# Altium PCB Lancelot.PcbDoc (part 11 of 14)
Units mil, origin at the board's own origin, x right, y up, seen from the top; angles counter-clockwise.
Board outline 4837.61 x 3252.61 mil, 6 copper layers (Top Layer, Mid-Layer 1, Mid-Layer 2, Mid-Layer 3, Mid-Layer 4, Bottom Layer); 372 components, 275 nets, 2062 pads, 1350 vias.
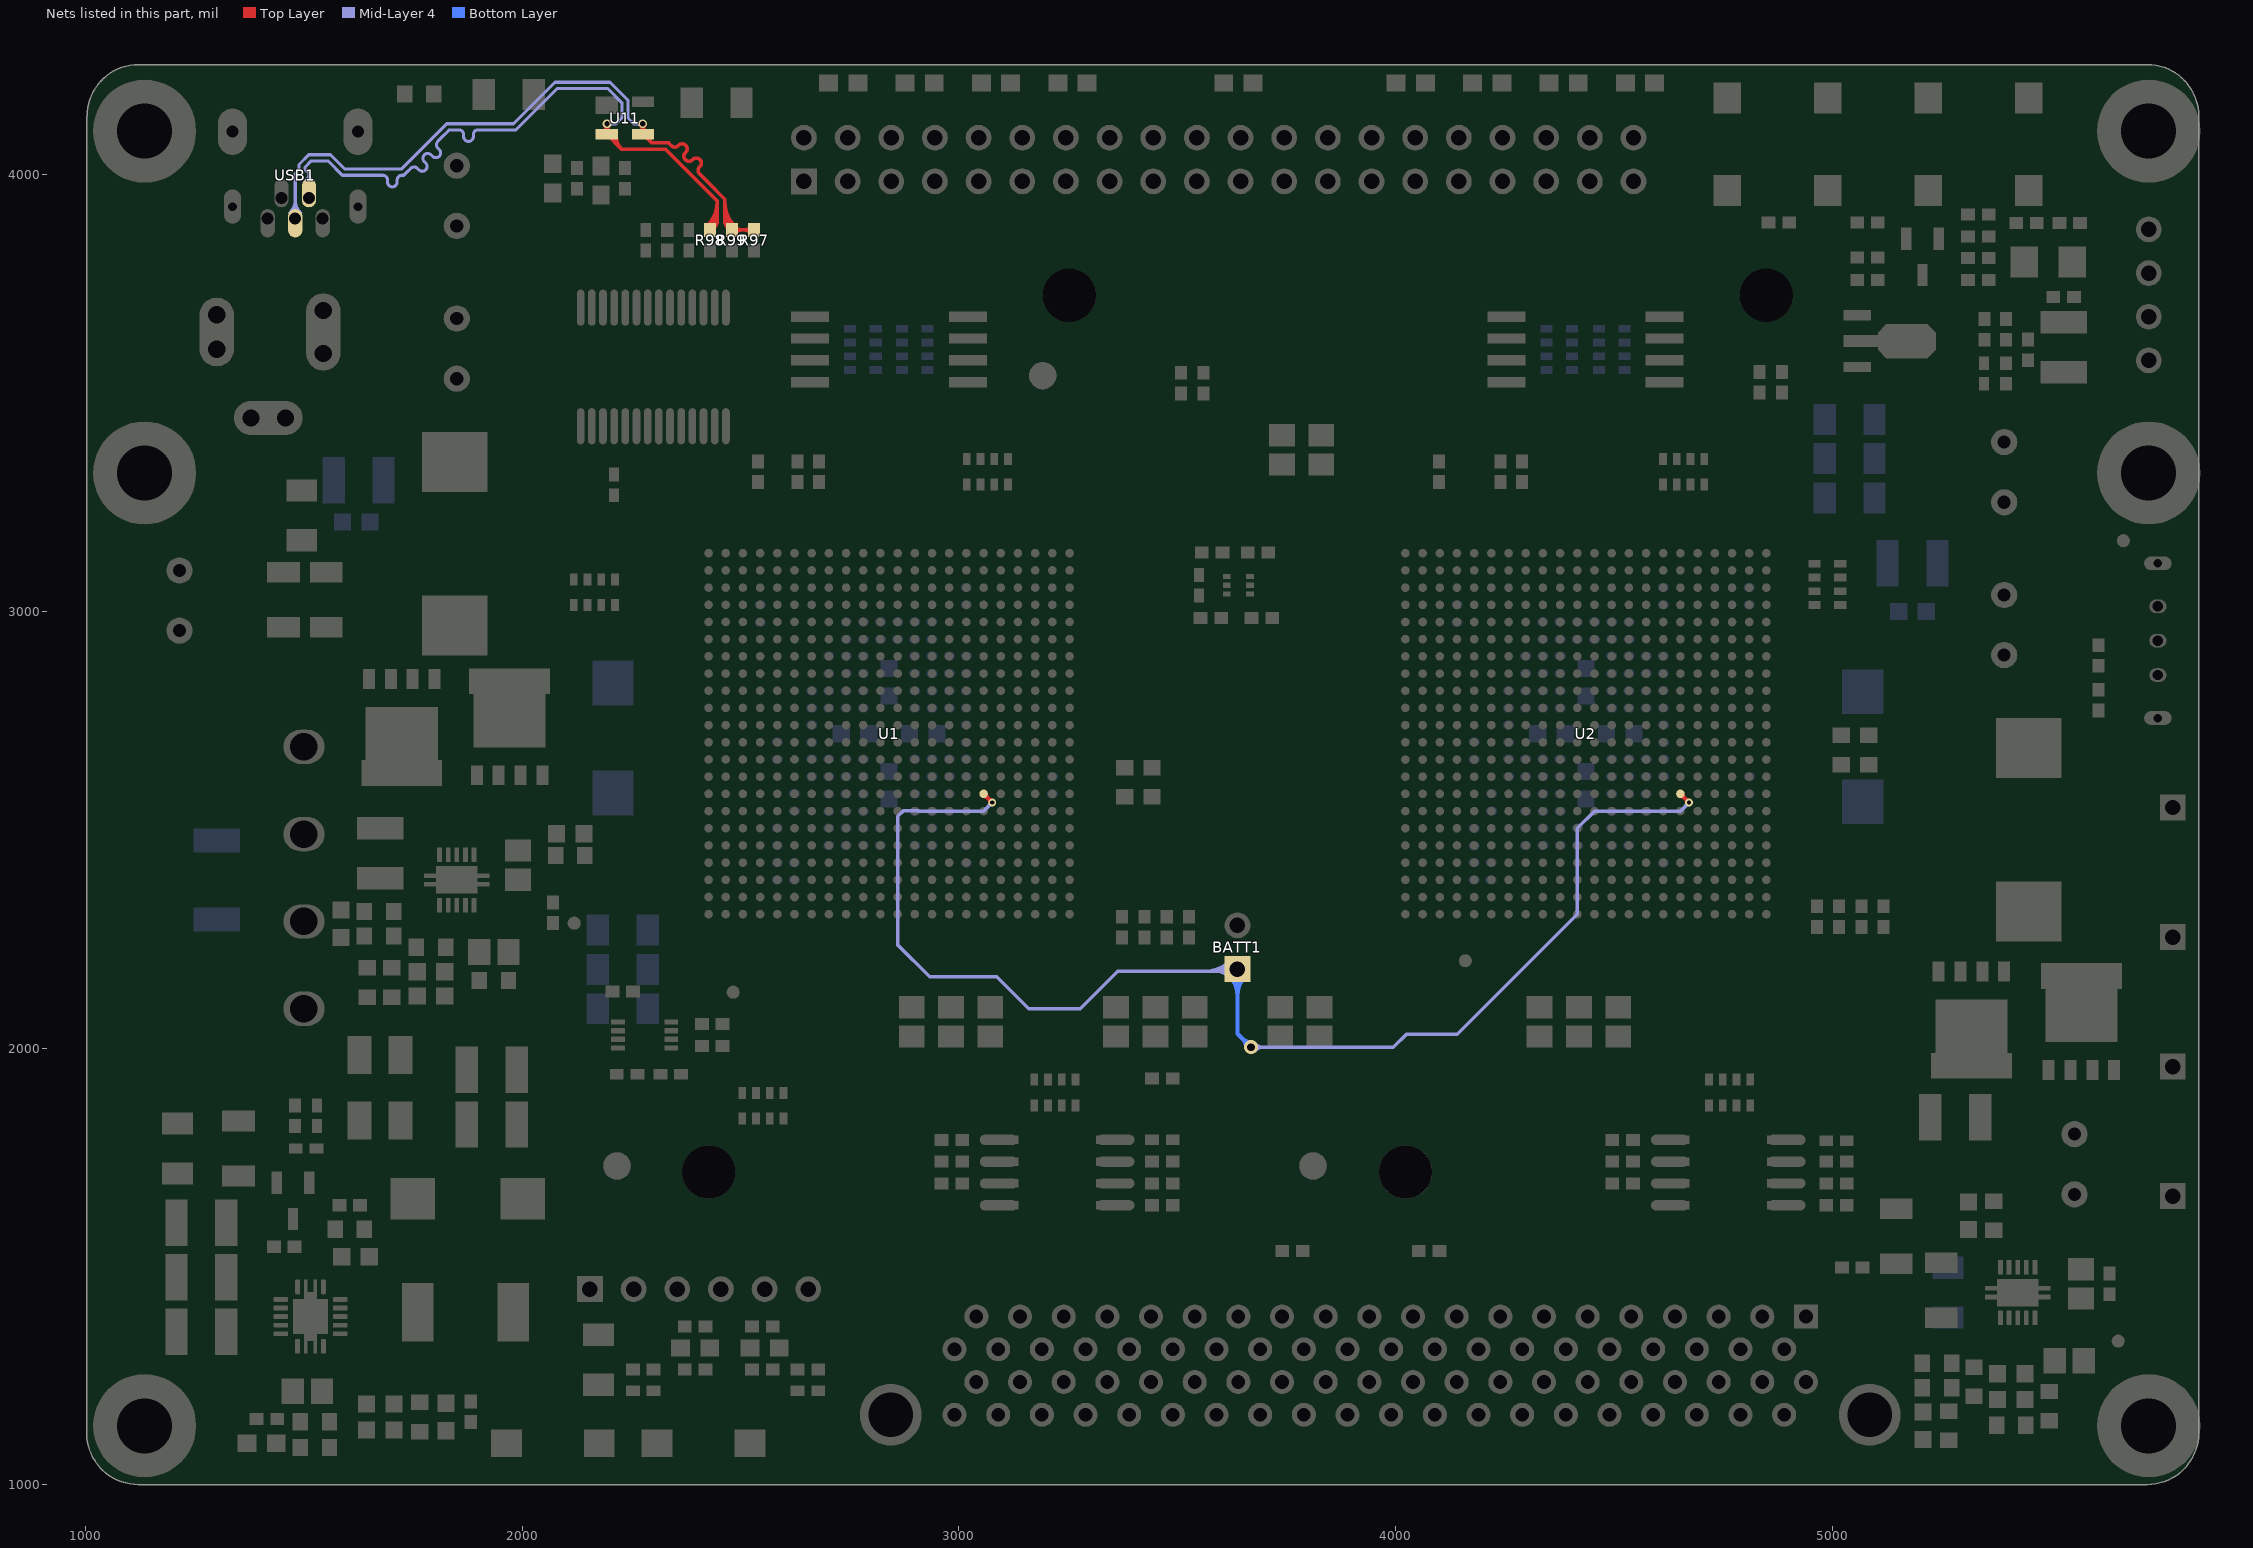
[diagram p15: the nets of this part, all layers, seen from the top]

## Via types
v1: diameter 18, hole 10, Top Layer to Bottom Layer, tented both sides, 625 vias
v2: diameter 20, hole 12, Top Layer to Bottom Layer, tented both sides, 515 vias
v3: diameter 32, hole 18, Top Layer to Bottom Layer, tented both sides, 191 vias
v4: diameter 23.62, hole 11.81, Top Layer to Bottom Layer, tented bottom, 10 vias
v5: diameter 19.68, hole 11.81, Top Layer to Bottom Layer, tented bottom, 4 vias
v6: diameter 118.11, hole 118.11, Top Layer to Bottom Layer, tented bottom, 2 vias
v7: diameter 78.74, hole 78.74, Top Layer to Bottom Layer, tented bottom, 2 vias
v8: diameter 50, hole 28, Top Layer to Bottom Layer, tented both sides, 1 vias

## Nets (pads, with @x,y where several pads share a name; then routed paths per layer and width w, separated by ;. In a path a pad name is that pad's centre, name@x,y a point inside that pad or via, vN(x,y) a via of type N, cw(c..) or ccw(c..) an arc to the next point about the centre after c; other vN are vias at no path point) (continued)
USB_N: R98.2 U11.2 USB1.2 | length 1925.6
  Top Layer w8: U11.2@2188.14,4098.12 ccw(c2174.8,4111.46) 2193.66,4111.46 ccw(c2212.52,4111.46) U11.2@2199.18,4098.12 ; v2@2189.49,4113.04 cw(c2182,4106.46) U11.2@2191.63,4103.88 ; v2@2189.76,4112.76 cw(c2180.33,4103.33) U11.2@2193.66,4103.33 ; v2@2191,4111.8 cw(c2186.77,4104.47) 2194.95,4106.66 ; 2192.01,4105.31 cw(c2202.35,4102.53) v2@2197,4111.8 ; U11.2@2193.66,4101.7 cw(c2209.3,4101.7) v2@2198.24,4112.76 ; v2(2194,4117) 2193.66,4116.66 U11.2@2193.66,4092.6 2228.26,4058 ; 2195.4,4104.98 cw(c2202.28,4106.82) v2@2197.78,4112.34 ; U11.2@2207.25,4092.61 ccw(c2235.97,4090.97) 2215.63,4070.63 ; U11.2@2215.24,4092.15 ccw(c2259.86,4089.61) 2228.26,4058 ; R98.2@2423.08,3882.51 ccw(c2367.76,3937.83) 2446,3937.83 ; R98.2@2428.74,3876.85 ccw(c2387.08,3918.51) 2446,3918.51 ; R98.2@2430,3873.62 2446,3889.62 ; R98.2@2431.78,3885.21 ccw(c2434.69,3900.93) 2446,3889.62 ; R98.2@2434.4,3871.19 ccw(c2406.39,3899.2) 2446,3899.2 ; R98.2@2439.78,3875.59 cw(c2458.64,3875.59) 2445.3,3888.92 ; 2228.26,4058 2328.79,4058 2446,3940.79 2446,3889.62
  Mid-Layer 4 w7: USB1.2@1501.42,3984 ccw(c1488.84,4002.84) 1511.5,4002.84 ; USB1.2@1511.5,3947.24 1511.5,4002.84 ; USB1.2@1521.57,3984 cw(c1534.15,4002.84) 1511.5,4002.84 ; v2(2194,4117) 2215,4117 2228,4130 2228,4165 2195,4198 2080.8,4198 1985.8,4103 1966,4103 1898.8,4103 ccw(c1898.8,4092) 1887.8,4092 1887.8,4087.45 cw(c1876.8,4087.45) 1876.8,4076.45 cw(c1876.8,4087.45) 1865.8,4087.45 1865.8,4092 ccw(c1854.8,4092) 1854.8,4103 1843.8,4103 1832.8,4103 1829.92,4100.12 1814.36,4084.56 1806.58,4076.78 ccw(c1814.36,4069) 1806.58,4061.23 1809.8,4058.01 cw(c1802.02,4050.23) 1809.8,4042.45 cw(c1802.02,4050.23) 1794.24,4042.45 1791.02,4045.67 ccw(c1783.25,4037.89) 1775.47,4045.67 ccw(c1783.25,4037.89) 1775.47,4030.11 1778.69,4026.9 cw(c1770.91,4019.12) 1778.69,4011.34 cw(c1770.91,4019.12) 1763.13,4011.34 1759.91,4014.56 ccw(c1752.13,4006.78) 1744.36,4014.56 1736.58,4006.78 1728.8,3999 1724.4,3999 ccw(c1724.4,3988) 1713.4,3988 1713.4,3983.45 cw(c1702.4,3983.45) 1702.4,3972.45 cw(c1702.4,3983.45) 1691.4,3983.45 1691.4,3988 ccw(c1680.4,3988) 1680.4,3999 1669.4,3999 1658.4,3999 1588,3999 1555,4032 1516.75,4032 1502.75,4018 1502.75,4011.59 1511.5,4002.84 ; v2@2198.6,4112.4 cw(c2209.69,4101.31) 2209.69,4117 cw(c2209.69,4132.69) v2@2198.6,4121.6
USB_P: R97.1 R99.2 U11.3 USB1.3 | length 2035.7
  Top Layer w8: U11.3@2270.82,4098.12 ccw(c2257.48,4111.46) 2276.34,4111.46 ccw(c2295.2,4111.46) U11.3@2281.86,4098.12 ; v2@2271.76,4112.76 cw(c2260.7,4101.7) U11.3@2276.34,4101.7 ; v2@2272.22,4112.34 cw(c2267.72,4106.82) 2274.6,4104.98 ; v2@2273,4111.8 cw(c2267.65,4102.53) 2277.99,4105.31 ; 2275.05,4106.66 cw(c2283.23,4104.47) v2@2279,4111.8 ; v2(2276,4117) 2276.34,4116.66 U11.3@2276.34,4092.6 2295.94,4073 ; U11.3@2276.34,4103.33 cw(c2289.67,4103.33) v2@2280.24,4112.76 ; U11.3@2278.37,4103.88 cw(c2288,4106.46) v2@2280.51,4113.04 ; U11.3@2289.98,4092.73 ccw(c2297.2,4085.84) 2290.15,4078.79 ; U11.3@2295.77,4087.21 ccw(c2303.13,4080.19) 2295.94,4073 ; 2464,3899.2 ccw(c2503.61,3899.2) R99.2@2475.6,3871.19 ; 2464,3918.51 ccw(c2522.92,3918.51) R99.2@2481.26,3876.85 ; 2464,3937.83 ccw(c2542.24,3937.83) R99.2@2486.92,3882.51 ; 2464.7,3888.92 cw(c2451.36,3875.59) R99.2@2470.22,3875.59 ; R99.2@2478.22,3885.21 cw(c2475.31,3900.93) 2464,3889.62 ; R99.2@2486.92,3866.71 cw(c2503.61,3850.01) 2503.61,3873.62 cw(c2503.61,3897.23) R99.2@2486.92,3880.54 ; R97.1@2524.08,3866.71 ccw(c2507.39,3850.01) 2507.39,3873.62 ccw(c2507.39,3897.23) R97.1@2524.08,3880.54 ; R97.1@2530,3873.62 R99.2@2480,3873.62 2464,3889.62 ; 2295.94,4073 2335,4073 2341,4067 ccw(c2349.13,4075.13) 2357.26,4067 2357.88,4067.62 cw(c2366.02,4059.49) 2374.15,4067.62 cw(c2366.02,4059.49) 2374.15,4051.36 2373.53,4050.74 ccw(c2381.66,4042.6) 2373.53,4034.47 ccw(c2381.66,4042.6) 2389.79,4034.47 2390.41,4035.09 cw(c2398.54,4026.96) 2406.67,4035.09 cw(c2398.54,4026.96) 2406.67,4018.83 2406.05,4018.21 ccw(c2414.19,4010.08) 2406.05,4001.95 2424.5,3983.5 2464,3944 2464,3889.62
  Mid-Layer 4 w7: USB1.3@1467.16,3912.84 ccw(c1436.17,3943.83) 1480,3943.83 ccw(c1523.83,3943.83) USB1.3@1492.84,3912.84 ; USB1.3@1472.11,3907.89 ccw(c1453.07,3926.93) 1480,3926.93 ccw(c1506.93,3926.93) USB1.3@1487.89,3907.89 ; USB1.3@1480,3900 1480,4003 1488.75,4011.75 1488.75,4023.8 1510.95,4046 1560.8,4046 1593.8,4013 1723,4013 1827,4117 1980,4117 2075,4212 2200.8,4212 2242,4170.8 2242,4130 2255,4117 v2(2276,4117) ; v2@2271.4,4112.4 ccw(c2260.31,4101.31) 2260.31,4117 ccw(c2260.31,4132.69) v2@2271.4,4121.6
VBATT: BATT1.1 U1.R17 U2.R17 | length 3533.6
  Top Layer w10: U1.R17@3056.54,2577.36 cw(c3056.54,2565.67) 3064.8,2573.94 cw(c3073.07,2582.2) U1.R17@3061.38,2582.2 ; U1.R17@3056.54,2582.2 v1(3076.22,2562.52) ; v1@3072.22,2562.52 ccw(c3062.56,2562.52) 3069.39,2569.35 ccw(c3076.22,2576.18) v1@3076.22,2566.52 ; U2.R17@4652.53,2577.29 cw(c4652.53,2565.6) 4660.79,2573.87 cw(c4669.06,2582.13) U2.R17@4657.37,2582.13 ; U2.R17@4652.53,2582.13 v1(4672.21,2562.45) ; v1@4668.21,2562.45 ccw(c4658.56,2562.45) 4665.39,2569.28 ccw(c4672.21,2576.1) v1@4672.21,2566.45
  Mid-Layer 4 w8: v1@3071.22,2562.52 cw(c3059.15,2562.52) 3067.69,2553.98 cw(c3076.22,2545.45) v1@3076.22,2557.52 ; v1(3076.22,2562.52) 3056.62,2542.92 2908.08,2542.92 2908,2543 2872.35,2543 2860,2530.65 2860,2236 2933,2163 3087,2163 3160,2090 3278,2090 3364,2176 3633,2176 BATT1.1@3638,2181 ; 3564.3,2176 ccw(c3564.3,2254.7) BATT1.1@3619.95,2199.05 ; 3583.61,2176 ccw(c3583.61,2235.39) BATT1.1@3625.61,2193.39 ; 3588.44,2176 cw(c3588.44,2131.44) BATT1.1@3619.95,2162.95 ; 3602.93,2176 ccw(c3602.93,2216.07) BATT1.1@3631.26,2187.74 ; 3607.76,2176 cw(c3607.76,2150.76) BATT1.1@3625.61,2168.61 ; v3(3669,2002) 3995,2002 4025,2032 4141.76,2032 4416.39,2306.63 4416.39,2503.48 4455.68,2542.76 4652.53,2542.76 v1(4672.21,2562.45) ; v3@3677.49,1993.51 cw(c3697.97,1973.03) 3697.97,2002 cw(c3697.97,2030.97) v3@3677.49,2010.49 ; v1@4667.21,2562.45 cw(c4655.14,2562.45) 4663.68,2553.91 cw(c4672.21,2545.38) v1@4672.21,2557.45
  Bottom Layer w10: BATT1.1@3620.66,2163.66 cw(c3578.79,2121.79) 3638,2121.79 cw(c3697.21,2121.79) BATT1.1@3655.34,2163.66 ; BATT1.1@3627.73,2170.73 cw(c3602.93,2145.93) 3638,2145.93 cw(c3673.07,2145.93) BATT1.1@3648.27,2170.73 ; BATT1.1@3638,2181 3638,2033 v3(3669,2002) ; v3@3658,2002 ccw(c3631.44,2002) 3650.22,2020.78 ccw(c3669,2039.56) v3@3669,2013